# KiCad board [DFR1142]Lite Carrier for LattePanda Mu.kicad_pcb (continued)
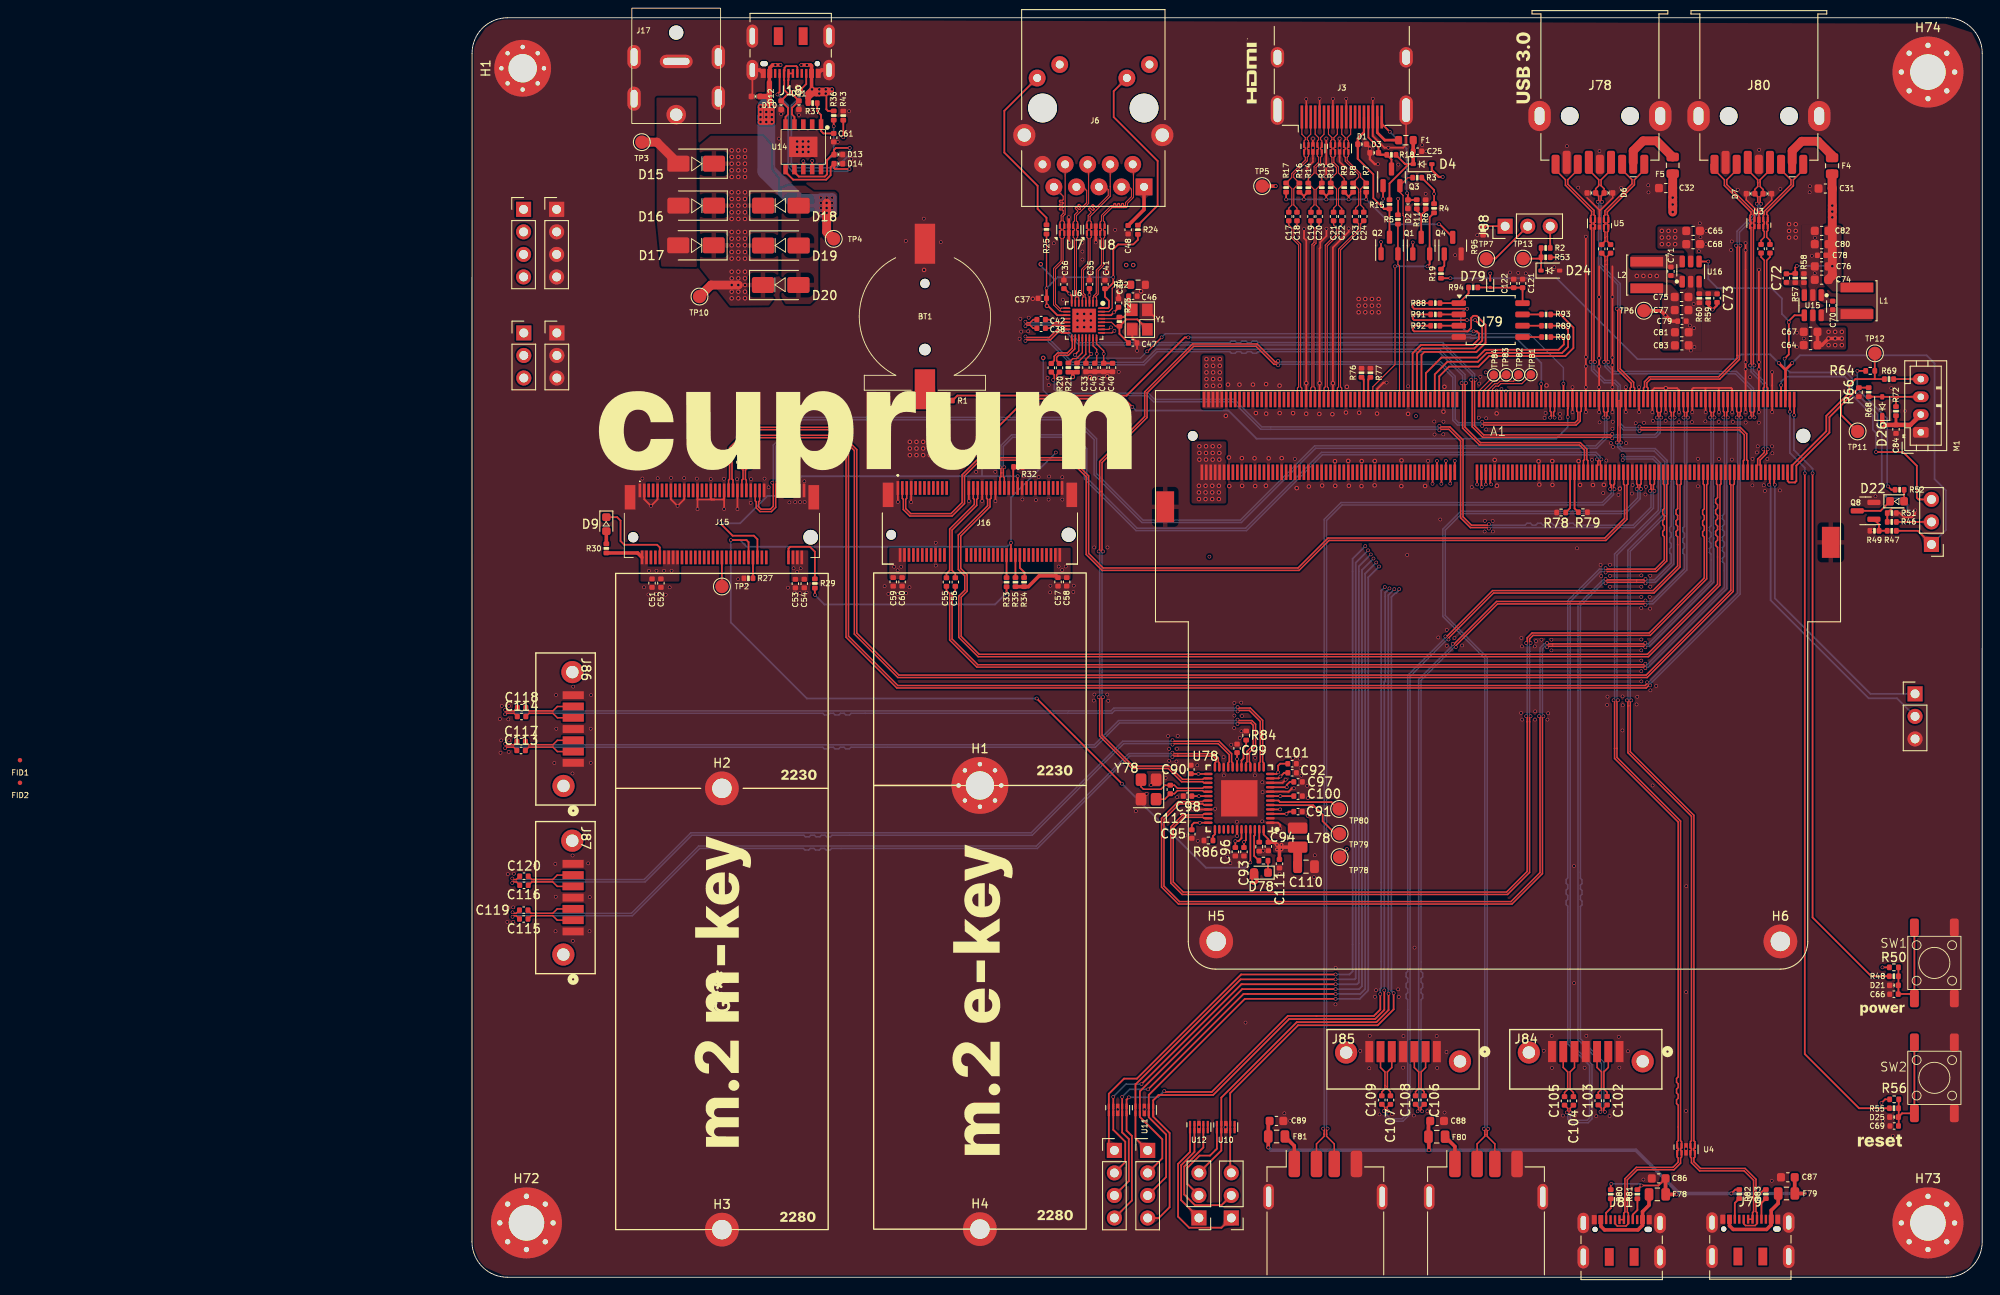
[diagram p0: board, top side]
## Routing (per net, layer and track width the routed paths; a pad name or vN(x,y) marks a point on that pad's centre or on a via; arc(x,y) is an arc through that point) (continued)
/USB2.0&USB3.0/CON_USB4_SSTX_N: length 11.1
  Top w0.17: C28.2 127.67,116.74 127.67,117.17 127.67,117.17 127.67,117.79 127.55,117.91 U5.9 127.55,118.56 127.67,118.68 127.67,118.85 127.55,118.96 U5.2 127.55,119.62 127.67,119.73 127.67,120.18 130.72,123.23 130.72,123.69 129.6,124.81 J78.8
/USB2.0&USB3.0/CON_USB4_SSTX_P: length 11.1
  Top w0.17: J78.9 132.1,124.81 130.99,123.69 130.99,123.12 127.94,120.07 127.94,119.73 128.05,119.62 U5.1 128.05,118.96 127.94,118.85 127.94,118.68 128.05,118.56 U5.10 128.05,117.91 127.94,117.79 127.94,117.28 127.94,117.27 127.94,116.74 C29.2
/~{PLT_RST}: length 211.6
  Top w0.15: v1(76.09,104.35) 76.14,104.35 v1(77.71,105.93) ; 68.08,104.1 68.14,104.16 ; 68.14,104.16 v1(67.93,103.96) ; 68.14,104.16 68.38,104.4 68.38,105.88 68.37,105.89
  Top w0.2: v1(63.64,65.22) v1(73.24,55.62) ; J16.52 v1(60.74,82.78) ; v1(29.16,83.08) 30.94,83.08 31.16,82.85 J15.50 ; v1(122.99,100.7) 123,100.69 A1.105 ; U78.45 v1(87.71,46.75)
  In1.GND w0.15: v2(64.37,103.62) 64.72,103.96 v1(67.93,103.96)
  In1.GND w0.2: v1(65.79,92.95) 65.79,97.12 65.79,97.13 v1(65.79,98.55)
  Bottom w0.15: v1(76.09,104.35) 75.32,103.58 68.31,103.58 v1(67.93,103.96) ; v2(64.37,103.62) 64.37,99.97 v1(65.79,98.55) ; v1(122.99,100.7) 122.99,102.5 119.14,106.34 113.21,106.34 113.04,106.17 112.69,106.17 112.59,106.27 111.88,106.27 111.81,106.34 78.13,106.34 v1(77.71,105.93)
  Bottom w0.2: v1(65.79,92.95) 65.79,92.93 60.74,87.88 v1(60.74,82.78) 60.29,82.32 30.96,82.32 30.21,83.08 v1(29.16,83.08) 29.16,73.8 37.74,65.22 v1(63.64,65.22) ; v1(73.24,55.62) 82.71,46.16 87.12,46.16 v1(87.71,46.75)
/~{PWR_LED}/~{PSON}: length 91
  Top w0.2: JP1.1 162.92,84.12 R47.1 ; v1(110.25,112.59) R19.1
  Top w0.3: 147.31,103.03 v1(147.26,103.03) 148.01,102.28 ; 148.01,98.9 148.01,102.28 ; 148.01,102.28 v1(148.76,103.03)
  Bottom w0.2: JP1.1 166.09,84.21 166.09,88.68 164.81,89.95 164.81,103 163.91,103.9 149.64,103.9 v1(148.76,103.03) ; v1(110.25,112.59) 122.22,112.59 131.34,103.48 142.46,103.48 142.99,104 146.29,104 v1(147.26,103.03)
/~{WAKE}: length 121.4
  Top w0.2: v1(27.96,84.98) 29.36,83.58 31.76,83.58 32.16,83.18 J15.54 ; v2(58.48,95.06) 58.5,95.06 62.46,99.01 73.49,99.01 v1(74.41,98.09) ; A1.103 123.51,98.9 123.51,97.93 123.47,97.88 v1(123.47,96.95) ; J16.55 v1(61.49,90.28)
  Bottom w0.2: v1(74.41,98.09) 74.82,97.68 85.24,97.68 88.41,94.5 122.16,94.5 123.47,95.81 v1(123.47,96.95) ; v1(61.49,90.28) 37.16,90.28 34.94,88.05 33.29,88.05 30.21,84.98 v1(27.96,84.98) ; v2(58.48,95.06) 57.47,94.05 57.47,90.31
LED: length 3.8
  Top w0.2: U78.46 88.21,49.83 88.14,49.75 88.14,47.49 88.68,46.95
SATA1_RX+: length 93.1
  Top w0.17: U78.13 89.21,57.97 89.1,58.09 89.1,62.76 87.7,64.15 86.39,64.15 v1(86.27,64.27) ; C118.1 4.74,63.83 3.84,63.83 v1(3.73,63.94)
  Bottom w0.17: v1(86.27,64.27) 86.16,64.15 72.32,64.15 72,63.83 67.25,63.83 3.84,63.83 v1(3.73,63.94)
SATA1_RX-: length 93.1
  Top w0.17: v1(86.27,63.77) 86.39,63.88 87.59,63.88 88.83,62.64 88.83,58.09 88.71,57.97 U78.14 ; v1(3.73,63.44) 3.84,63.56 4.74,63.56 C114.1
  Bottom w0.17: v1(86.27,63.77) 86.16,63.88 72.44,63.88 72.11,63.56 67.14,63.56 42.73,63.56 42.54,63.37 42.13,63.37 41.94,63.56 41.53,63.56 41.34,63.37 40.93,63.37 40.74,63.56 40.33,63.56 40.14,63.37 39.73,63.37 39.54,63.56 3.84,63.56 v1(3.73,63.44)
SATA1_TX+: length 92.7
  Top w0.17: v1(3.72,59.62) 3.84,59.73 4.69,59.73 C113.1 ; v1(86.26,62.35) 86.38,62.46 87.78,62.46 88.03,62.21 88.03,59.96 87.33,59.26 87.33,58.09 87.21,57.97 U78.17
  Bottom w0.17: v1(86.26,62.35) 86.15,62.46 72.97,62.46 70.24,59.73 42.71,59.73 42.52,59.55 42.11,59.55 41.92,59.73 41.51,59.73 41.32,59.55 40.91,59.55 40.72,59.73 40.31,59.73 40.12,59.55 39.71,59.55 39.52,59.73 3.84,59.73 v1(3.72,59.62)
SATA1_TX-: length 92.7
  Top w0.17: C117.1 4.69,60 3.84,60 v1(3.72,60.12) ; v1(86.26,62.85) 86.38,62.74 87.89,62.74 88.3,62.32 88.3,59.84 87.6,59.14 87.6,58.09 87.71,57.97 U78.16
  Bottom w0.17: v1(3.72,60.12) 3.84,60 70.13,60 72.86,62.74 86.15,62.74 v1(86.26,62.85)
SATA4_RX+: length 90.9
  Top w0.17: U78.20 85.71,57.97 85.6,58.09 85.6,59.01 84.2,60.41 79.05,60.41 v1(78.94,60.53) ; v1(4.54,44.94) 4.65,44.82 5,44.82 C120.1
  Bottom w0.17: v1(78.94,60.53) 78.82,60.41 73.33,60.41 63.01,50.09 24.66,50.09 19.4,44.82 4.65,44.82 v1(4.54,44.94)
SATA4_RX-: length 90.9
  Top w0.17: C116.1 5,44.55 4.65,44.55 v1(4.54,44.44) ; U78.21 85.21,57.97 85.33,58.09 85.33,58.89 84.08,60.14 79.05,60.14 v1(78.94,60.02)
  Bottom w0.17: v1(4.54,44.44) 4.65,44.55 19.51,44.55 24.77,49.81 37.4,49.81 37.58,49.63 38,49.63 38.18,49.81 38.6,49.81 38.78,49.63 39.2,49.63 39.38,49.81 39.8,49.81 39.98,49.63 40.4,49.63 40.58,49.81 63.12,49.81 73.45,60.14 78.82,60.14 v1(78.94,60.02)
SATA4_TX+: length 89.4
  Top w0.17: C115.1 4.99,40.74 4.68,40.74 v1(4.57,40.63) ; U78.24 83.71,57.97 83.83,58.09 83.83,58.42 83.51,58.74 79.04,58.74 v1(78.93,58.62)
  Bottom w0.17: v1(78.93,58.62) 78.81,58.74 74.12,58.74 63.71,48.33 40.52,48.33 40.34,48.15 39.92,48.15 39.74,48.33 39.32,48.33 39.14,48.15 38.72,48.15 38.54,48.33 38.12,48.33 37.94,48.15 37.52,48.15 37.34,48.33 25.66,48.33 18.07,40.74 4.68,40.74 v1(4.57,40.63)
SATA4_TX-: length 89.4
  Top w0.17: v1(78.93,59.13) 79.04,59.01 83.62,59.01 84.1,58.53 84.1,58.09 84.21,57.97 U78.23 ; C119.1 4.99,41.01 4.68,41.01 v1(4.57,41.13)
  Bottom w0.17: v1(4.57,41.13) 4.68,41.01 17.96,41.01 25.54,48.6 63.59,48.6 74.01,59.01 78.81,59.01 v1(78.93,59.13)
VDC: length 10.5
  Top w0.2: R53.1 v1(122.51,114.95)
  Top w0.4: C67.2 C64.2 152.11,105.05 v2(152.86,105.8) v2(154.36,105.8)
  Top w1: v2(30.01,111.83) 26.94,111.83 TP10.1
  vias: v2(29.26,127) v2(29.26,126.25) v2(29.26,125.5) v2(29.26,124.75) v2(29.26,124) v2(29.26,122.28) v2(29.26,121.53) v2(29.26,120.78) v2(29.26,120.03) v2(29.26,119.28) v2(29.26,117.8) v2(29.26,117.05) v2(29.26,116.3) v2(29.26,115.55) v2(29.26,114.8) v2(29.26,113.33) v2(29.26,112.58) v2(29.26,111.83) v2(29.26,111.08) v2(29.26,110.33) v2(30.01,127) v2(30.01,126.25) v2(30.01,125.5) v2(30.01,124.75) v2(30.01,124) v2(30.01,122.28) v2(30.01,121.53) v2(30.01,120.78) v2(30.01,120.03) v2(30.01,119.28) v2(30.01,117.8) v2(30.01,117.05) v2(30.01,116.3) v2(30.01,115.55) v2(30.01,114.8) v2(30.01,113.33) v2(30.01,112.58) v2(30.01,111.08) v2(30.01,110.33) v2(30.76,127) v2(30.76,126.25) v2(30.76,125.5) v2(30.76,124.75) v2(30.76,124) v2(30.76,122.28) v2(30.76,121.53) v2(30.76,120.78) v2(30.76,120.03) v2(30.76,119.28) v2(30.76,117.8) v2(30.76,117.05) v2(30.76,116.3) v2(30.76,115.55) v2(30.76,114.8) v2(30.76,113.33) v2(30.76,112.58) v2(30.76,111.83) v2(30.76,111.08) v2(30.76,110.33) v2(81.96,93.65) v2(81.96,92.9) v2(81.96,92.15) v2(81.91,89.2) v2(81.91,88.45) v2(81.91,87.7) v2(82.71,93.65) v2(82.71,92.9) v2(82.71,92.15) v2(82.66,89.2) v2(82.66,88.45) v2(82.66,87.7) v2(82.76,103.48) v2(82.76,102.73) v2(82.76,101.98) v2(82.76,101.23) v2(82.76,100.48) v2(83.46,93.65) v2(83.46,92.9) v2(83.46,92.15) v2(83.41,89.2) v2(83.41,88.45) v2(83.41,87.7) v2(83.51,103.48) v2(83.51,102.73) v2(83.51,101.98) v2(83.51,101.23) v2(83.51,100.48) v2(84.26,103.48) v2(84.26,102.73) v2(84.26,101.98) v2(84.26,101.23) v2(84.26,100.48) v2(84.21,93.65) v2(84.21,92.9) v2(84.21,92.15) v2(84.16,89.2) v2(84.16,88.45) v2(84.16,87.7) v2(134.08,117.93) v2(134.08,117.18) v2(134.08,116.43) v2(134.83,117.93) v2(134.83,117.18) v2(134.83,116.43) v2(135.58,117.93) v2(135.58,117.18) v2(135.58,116.43) v2(152.86,106.55) v2(152.86,105.05) v2(153.61,106.55) v2(153.61,105.8) v2(153.61,105.05) v2(154.36,106.55) v2(154.36,105.05)
VPullup: length 4.7
  Top w0.2: R2.2 R53.2 ; R53.2 120.48,113.47 D24.1 ; R53.2 120.33,114.8 TP13.1
XI+: length 6.3
  Top w0.17: Y78.1 78.07,53.88 C112.1 79.15,54.5 79.5,54.84 82.35,54.84 82.46,54.72 U78.29
XI-: length 8.9
  Top w0.17: Y78.3 75.39,55.28 75.66,55 77.64,55 78.09,55.46 C112.2 79.15,55.46 79.5,55.11 82.35,55.11 82.46,55.22 U78.28
Net-(A1-SIO_UART_RX): length 36.2
  Top w0.2: A1.12 146.25,89.38 146.19,89.33 v1(146.16,89.33)
  Bottom w0.2: J1.2 160.57,65.25 157.39,65.25 146.34,76.3 146.34,89.15 v1(146.16,89.33)
Net-(A1-SIO_UART_TX): length 34.5
  Top w0.2: A1.10 146.75,89.39 v1(146.81,89.33)
  Bottom w0.2: J1.1 157.59,65.75 146.81,76.53 v1(146.81,89.33)
Net-(A1-TCP0_HPD): length 2.6
  Top w0.2: R76.1 100.5,101.17 A1.187
Net-(A1-TCP1_HPD): length 2.6
  Top w0.2: R77.1 101,101.18 A1.185
Net-(A1-UART0_RXD): length 6.2
  Top w0.125: TP81.1 118.31,100.71 115.95,100.71 115.67,100.43 115.35,100.43 115,100.08 A1.137
Net-(A1-UART0_TXD): length 5.3
  Top w0.125: TP82.1 117.92,101.55 117.36,100.98 115.83,100.98 115.55,100.71 115.23,100.71 114.5,99.97 A1.139
Net-(A1-UART1_RXD): length 4.3
  Top w0.125: TP83.1 116.17,101.72 115.44,100.98 115.05,100.98 114,99.92 A1.141
Net-(A1-UART1_TXD): length 3.3
  Top w0.125: 115.13,101.55 113.5,99.91 A1.143
Net-(A1-~{BIOS_SEL}): length 27
  Top w0.2: v1(116.01,100.1) 115.99,100.08 115.99,98.93 A1.133 ; 114.29,114.83 115.34,114.83 J88.2
  In1.GND w0.2: v1(116.01,100.1) 116.01,100.34 115.99,100.36 115.99,115.48 J88.2
Net-(A1-~{CLKREQ3}): length 4.7
  Top w0.2: A1.100 124.25,86.64 R79.1
Net-(A1-~{CLKREQ4}): length 4.7
  Top w0.2: R78.1 123.75,86.69 A1.102
Net-(BT1-+): length 2.6
  Top w0.4: R1.2 52.31,98.8 BT1.1
Net-(D9-A): length 1.4
  Top w0.4: R30.1 D9.2
Net-(D9-K): length 9.9
  Top w0.2: J15.10 21.16,82.25 20.86,82.55 17.16,82.55 16.74,82.98 16.74,85.28 16.35,85.66 D9.1
Net-(D21-A2): length 13
  Top w0.2: 160.74,31.93 162.04,31.93 SW1.1 SW1.1 ; 160.74,31.93 C66.1 ; 160.74,31.93 R50.1
Net-(D22-A): length 1.7
  Top w0.2: 161.6,87.55 161.47,87.68 161.5,87.65 ; R52.1 161.38,87.46 D22.2 161.47,87.55
Net-(D22-K): length 4.4
  Top w0.2: 159.65,87.68 159.9,87.68 ; D22.1 158.72,86.38 Q8.3
Net-(D25-A2): length 13.5
  Top w0.2: SW2.1 161.15,18.47 D25.2 ; SW2.1 162.21,18.8 ; SW2.1 SW2.1 ; R56.1 160.77,17.08 C69.1
Net-(D26-A): length 7
  Top w0.2: 160.49,99.23 160.46,99.2 R72.2 ; 160.49,99.23 M1.3 ; 160.49,99.23 D26.2 158.9,99.24 R68.1
Net-(D78-K): length 1.4
  Top w0.2: R87.1 89.7,45.6 D78.1
Net-(D79-K): length 6.8
  Top w0.2: R94.1 113.33,111.55 D79.1 114.89,111.55 114.91,111.53 C122.1 C121.1 118.39,109.79 U79.8
Net-(F78-Pad2): length 9.6
  Top w0.4: F78.2 132.64,8.12 131.9,7.39 J81.A9 131.9,5.86 131.39,5.34 127.62,5.34 127.2,5.75 J81.A4
Net-(F79-Pad2): length 9.7
  Top w0.4: 141.7,6.54 141.7,5.8 142.12,5.39 145.89,5.39 146.4,5.91 146.4,7.54 147.19,8.33 F79.2
Net-(J3-+5V): length 4.5
  Top w0.3: F1.2 102.86,128.15 102.01,129 J3.18
Net-(J6-CT): length 5.1
  Top w0.4: C48.1 75.73,120.33 J6.R1
Net-(J6-PadL1): length 20.1
  Top w0.2: J6.L1 59.99,131.46 59.99,126.75 63.74,123 63.74,120.4 64.74,119.4 64.74,118.7 64.64,118.6
Net-(J6-PadL3): length 20.2
  Top w0.2: R24.1 77.26,120.79 77.26,125.8 72.31,130.75 72.31,133.67 J6.L3
Net-(J15-DEVSLP): length 3.3
  Top w0.2: J15.38 TP2.1
Net-(J15-SUSCLK): length 7.4
  Top w0.2: 38.64,78.7 38.64,81.78 38.09,82.32 35.86,82.32 35.66,82.12 J15.68
Net-(J16-SUSCLK): length 2.6
  Top w0.2: 60.26,78.84 60.24,78.87 J16.50
Net-(J16-~{W_DISABLE1}): length 2.8
  Top w0.2: 62.26,78.85 62.26,79.43 61.74,79.95 J16.56
Net-(J16-~{W_DISABLE2}): length 2.5
  Top w0.2: J16.54 R35.2
Net-(J78-VBUS): length 7
  Top w1: J78.1 130.85,126.96 131.97,128.07 133.48,128.07 F5.2
Net-(J79-CC1): length 2.5
  Top w0.2: 142.3,6.54 142.3,8.37 R82.2
Net-(J79-CC2): length 2.5
  Top w0.2: R83.2 145.3,8.37 145.3,6.54
Net-(J80-VBUS): length 7.2
  Top w1: F4.2 153.26,126.43 151.66,128.03 149.84,128.03 148.76,126.95 J80.1
Net-(J81-CC1): length 2.6
  Top w0.2: J81.A5 127.8,7.27 128.32,7.78 R80.2
Net-(J81-CC2): length 2.6
  Top w0.2: J81.B5 130.8,7.06 131.32,7.58 R81.2
Net-(J82-VBUS): length 3.5
  Top w0.4: F80.2 110.76,14.73 J82.1
Net-(J83-VBUS): length 3.5
  Top w0.4: F81.2 92.66,14.81 J83.1
Net-(J88-Pin_1): length 2.5
  Top w0.2: J88.1 116.41,118.46 R95.2
Net-(J88-Pin_3): length 2.5
  Top w0.2: R2.1 121.5,118.45 J88.3
Net-(JP1-C): length 4
  Top w0.2: JP1.2 R46.1
Net-(M1-PWM): length 3.1
  Top w0.2: R69.2 M1.4
Net-(Q1-D): length 4.3
  Top w0.2: R11.1 106.46,120.23 106.96,119.73 ; 106.96,119.73 Q1.3 ; 106.96,119.73 107.46,120.23 R6.1
Net-(Q4-D): length 27.5
  Top w0.2: v1(108.96,118.68) 109.04,118.68 Q4.3 ; 98.79,121.79 98.29,122.29 R9.2 98.33,122.29 ; 98.79,121.79 v1(98.79,121.48) ; 98.79,121.79 R8.2 99.25,122.29 ; 96.26,121.88 v1(96.26,121.48) ; 96.26,121.88 96.68,122.29 R10.2 ; 96.26,121.88 95.85,122.29 R13.2 ; R17.2 v1(91.74,121.48) ; R14.2 94.18,122.29 93.74,121.85 ; 93.74,121.85 93.3,122.29 R16.2 ; 93.74,121.85 v1(93.74,121.48)
  Top w0.25: R7.2 v1(100.76,121.48)
  Bottom w0.2: v1(91.74,121.48) v1(93.74,121.48) v1(96.26,121.48) v1(98.79,121.48) v1(100.76,121.48) 103.56,118.68 v1(108.96,118.68)
Net-(Q4-G): length 1.9
  Top w0.2: Q4.1 109.56,113.98 R19.2
Net-(Q8-G): length 2.5
  Top w0.2: Q8.1 158.55,84.85 158.55,84.12 159.48,84.12
Net-(U6-CKXTAL1): length 8.5
  Top w0.125: R23.2 72.5,107.19 72.07,107.62 U6.28
  Top w0.2: C47.2 72.96,106.32 R23.2 73.72,107.95 74.98,107.95 Y1.1
Net-(U6-CKXTAL2): length 5.6
  Top w0.125: R23.1 72.77,108.03 U6.29
  Top w0.2: C46.2 74,109.43 Y1.3 74.26,109.02 73.44,108.21 R23.1
Net-(U6-ISOLATEB): length 3.8
  Top w0.15: 68.77,105.89 68.78,105.88 68.78,104.2 68.11,103.53 67.7,103.53 R20.2
Net-(U6-LANWAKEB): length 3.3
  Top w0.15: 69.17,105.89 69.17,104.03 R21.2
Net-(U6-RSET): length 5.9
  Top w0.125: R22.2 72.56,111.85 72.14,111.44 72.14,109.2 71.77,108.83 U6.31
Net-(U10-NC-Pad6): length 0.8
  Top w0.2: U10.6 U10.5
Net-(U12-NC-Pad6): length 0.8
  Top w0.2: U12.5 U12.6
Net-(U14-CFG1): length 8.7
  Top w0.2: v1(38.34,125.83) 38.33,125.82 U14.9 ; R43.1 v1(41.84,128.48)
  In1.GND w0.2: v1(41.84,128.48) 41.84,126.38 41.29,125.83 v1(38.34,125.83)
Net-(U14-VBUS): length 8.9
  Top w0.2: v1(40.76,129.72) R36.2 ; v1(37.34,125.78) 37.33,125.77 U14.8
  Bottom w0.2: v1(40.76,129.72) 40.76,126.55 39.59,125.38 37.74,125.38 v1(37.34,125.78)
Net-(U14-VDD): length 4.9
  Top w0.2: C61.1 39.6,128.91 39.33,129.18 U14.1 39.33,130.99 38.9,131.42 38.9,131.43 R37.2
Net-(U78-GPIO0): length 11.8
  Top w0.2: v1(98.59,48.28) 97.64,47.33 ; U78.4 v1(91.06,52.72)
  In1.GND w0.2: v1(98.59,48.28) 94.14,52.72 v1(91.06,52.72)
Net-(U78-GPIO1): length 9.4
  Top w0.2: U78.5 89.99,53.2 94.79,53.2 95.86,52.12 95.86,51.4 97.26,50 97.64,50
Net-(U78-GPIO2): length 8
  Top w0.2: U78.6 90.88,53.72 91.06,53.55 96.84,53.55 97.61,52.78
Net-(U78-PREXT): length 1.3
  Top w0.2: U78.37 83.71,49.93 83.5,49.71 R86.2
Net-(U78-SREXT): length 3.3
  Top w0.2: 87.24,60.54 87.24,59.93 86.94,59.62 86.94,58.47 86.71,58.25 U78.18
Net-(U78-TESTMODE): length 1.4
  Top w0.2: R85.2 U78.47
Net-(U79-CLK): length 2.2
  Top w0.2: U79.6 118.38,107.23 R89.1
Net-(U79-DI/IO_{0}): length 2.2
  Top w0.2: U79.5 118.39,105.96 R90.2
Net-(U79-DO/IO_{1}): length 2.1
  Top w0.2: R91.2 U79.2
Net-(U79-~{CS}): length 4.4
  Top w0.2: R94.2 112.3,110.88 U79.1 111.2,109.79 R88.2
Net-(U79-~{HOLD}/~{RESET}/IO_{3}): length 2.1
  Top w0.2: R93.2 U79.7
Net-(U79-~{WP}/IO_{2}): length 2.1
  Top w0.2: U79.3 109.07,107.24 R92.2

## Copper pours and planes (outline as drawn; the poured copper is in the pictures)
+1V2 on Top: 94.14,49.1 90.21,49.1 90.21,47.85 94.14,47.85
+1V2 on In2.PWR: 85.56,49.7 90.21,49.7 90.21,48.75 85.56,48.75
+1V2 on In2.PWR: 90.21,47.85 90.21,57.55 91.46,57.55 91.46,47.85
+1V2 on In2.PWR: 81.24,57.35 82.46,57.35 82.46,53.75 81.24,53.75
+3V3 on Top: 47.01,82.2 48.91,82.2 48.91,78.68 47.01,78.68
+3V3 on Top: 18.99,81.93 18.99,78.4 23.36,78.4 23.36,81.93 21.51,81.93 21.51,80.1 19.81,80.1 19.81,81.93
+3V3 on Top: 35.99,81.93 37.89,81.93 37.89,78.4 35.99,78.4
+3V3 on Top: 65.56,82.2 67.46,82.2 67.46,78.68 65.56,78.68
+3V3 on Top: 130.83,111.88 130.83,110.98 134.33,110.98 134.65,110.38 134.08,110.38 134.08,104.43 136.08,104.43 136.08,110.88 135.08,111.88
+3V3 on In2.PWR: 85.86,57.9 85.86,59.08 92.64,59.08 92.71,51.65 91.56,51.65 91.59,57.9
+3V3 on In2.PWR: 18.99,81.93 18.99,78.4 37.34,78.4 37.34,81.93 21.51,81.93 21.51,80.1 19.81,80.1 19.81,81.93
+3V3 on In2.PWR: 47.01,82.2 47.01,78.68 67.46,78.68 67.46,82.2 49.54,82.2 49.54,80.38 47.84,80.38 47.84,82.2
+5V on Top: 157.59,111.1 157.59,112 154.09,112 153.76,112.6 154.34,112.6 154.34,118.55 152.34,118.55 152.34,112.1 153.34,111.1
+12V on Top: 20.79,132.95 25.29,132.95 25.34,113.85 21.34,113.9 20.81,119.03
+12V on Top: 37.96,135.7 37.99,133.12 40.86,133.12 40.86,134.18 38.56,134.18 38.56,135.7
+15V on Top: 35.61,123.03 37.56,123.03 38.51,122.35 40.89,122.35 41.16,122.11 41.16,119.71 40.69,119.33 39.29,119.33 39.01,118.83 39.04,110.55 38.11,109.68 35.34,109.68 34.86,110.5 34.89,122.7
+15V on In2.PWR: 40.89,134.43 38.64,134.43 38.14,136.93 33.64,136.93 33.14,134.43 31.39,132.68 31.39,129.18 33.89,129.18 38.64,131.93 40.89,131.93
GND on Top: -0.01,137.95 0.51,139.28 1.51,140.78 3.01,141.78 166.01,141.28 169.01,140.28 170.01,138.28 170.19,4.15 168.76,1.1 166.09,0 4.01,0 1.01,1.33 -0.01,3.93
GND on Top: 150.74,110.1 150.74,111.4 150.59,111.6 150.59,112.6 150.44,112.85 149.84,112.85 149.84,118.6 151.84,118.6 151.84,112.1 151.44,111.6 151.44,110.1
GND on Top: 137.68,112.88 137.68,111.58 137.83,111.38 137.83,110.38 137.98,110.12 138.58,110.12 138.58,104.38 136.58,104.38 136.58,110.88 136.98,111.38 136.98,112.88
GND on Bottom: 0.04,138 0.51,139.28 1.51,140.78 3.01,141.78 166.01,141.28 169.01,140.28 169.99,138.28 170.19,4.15 168.81,1.22 166.56,0.28 4.02,0 1.01,1.33 -0.01,3.9
GND on In1.GND: 0.01,137.78 0.51,139.28 1.51,140.78 3.01,141.78 7.51,141.78 166.01,141.28 169.01,140.28 170.01,138.28 170.19,4.15 168.76,1.15 166.09,0 4.01,0 1.09,1.38 -0.01,3.93
GND on In2.PWR: 0.01,105.33 0.01,3.88 1.14,1.18 3.89,0 166.11,0 169.16,1.35 170.19,4.05 170.19,105.25
EXTL on Top: 89.59,51.88 94.14,51.88 94.14,50 91.94,50 91.94,50.85 90.84,51.58 89.59,51.58
VDC on Top: 151.84,107.05 151.44,107.55 151.44,109.05 150.74,109.05 150.74,107.3 150.84,106.8 150.84,104.55 154.84,104.55 154.84,107.05
VDC on Top: 82.29,97.9 84.69,97.9 84.69,103.9 82.29,103.9
VDC on Top: 136.58,115.93 136.98,115.43 136.98,113.93 137.68,113.93 137.68,115.68 137.58,116.18 137.58,118.43 133.58,118.43 133.58,115.93
VDC on Top: 25.64,128.25 25.69,113.79 29.09,109.48 33.44,109.52 34.53,110.98 34.5,123.81 33.74,124.83 33.72,127.56 32.74,128.65 26.91,128.65 25.64,127.59
VDC on Top: 81.09,87.2 84.99,87.2 84.99,94.2 81.09,94.2
VDC on In2.PWR: 0.01,137.98 1.01,140.57 3.94,141.95 166.14,141.95 168.71,141.05 170.19,138.03 170.12,104.43 116.49,104.12 113.91,101.84 113.82,99.91 110.96,99.88 111,101.78 108.98,103.74 90.67,103.8 90.01,103.14 89.92,90.41 85.91,86.26 79.89,86.27 78.72,87.42 74.72,94.17 69.92,98.38 62.06,99.57 37.76,99.51 30.4,92.43 25.02,84.91 0.01,84.88
Net-(U15-BOOST) on Top: 151.84,110.05 151.84,111.3 152.34,111.3 152.94,110.3 153.59,110.3 153.59,109.8 152.34,109.8
Net-(U15-FB) on Top: 150.44,110.1 149.84,110.1 149.84,111.35 149.59,111.75 147.84,111.75 147.84,112.4 150.44,112.4
Net-(U15-SW) on Top: 157.84,107.78 157.84,109.28 152.59,109.28 151.84,109.03 151.84,107.78
Net-(U16-BOOST) on Top: 136.6,112.85 136.6,111.6 136.1,111.6 135.5,112.6 134.85,112.6 134.85,113.1 136.1,113.1
Net-(U16-FB) on Top: 137.98,112.88 138.58,112.88 138.58,111.62 138.83,111.23 140.58,111.23 140.58,110.58 137.98,110.58
Net-(U16-SW) on Top: 130.58,115.2 130.58,113.7 135.83,113.7 136.58,113.95 136.58,115.2

Small or netless copper shapes (teardrops, artwork), in the pictures only: 564 on Top, 3 on Bottom, 10 on In2.PWR
